# Altium PCB SPEC-A7.PcbDoc (part 9 of 10)
Units mil, origin at the board's own origin, x right, y up, seen from the top; angles counter-clockwise.
Board outline 6299.21 x 3937.01 mil, 6 copper layers (Top Layer, L2, L3, L4, L5, Bottom Layer), stack 61.319 mil thick; 731 components, 479 nets, 2733 pads, 1703 vias.
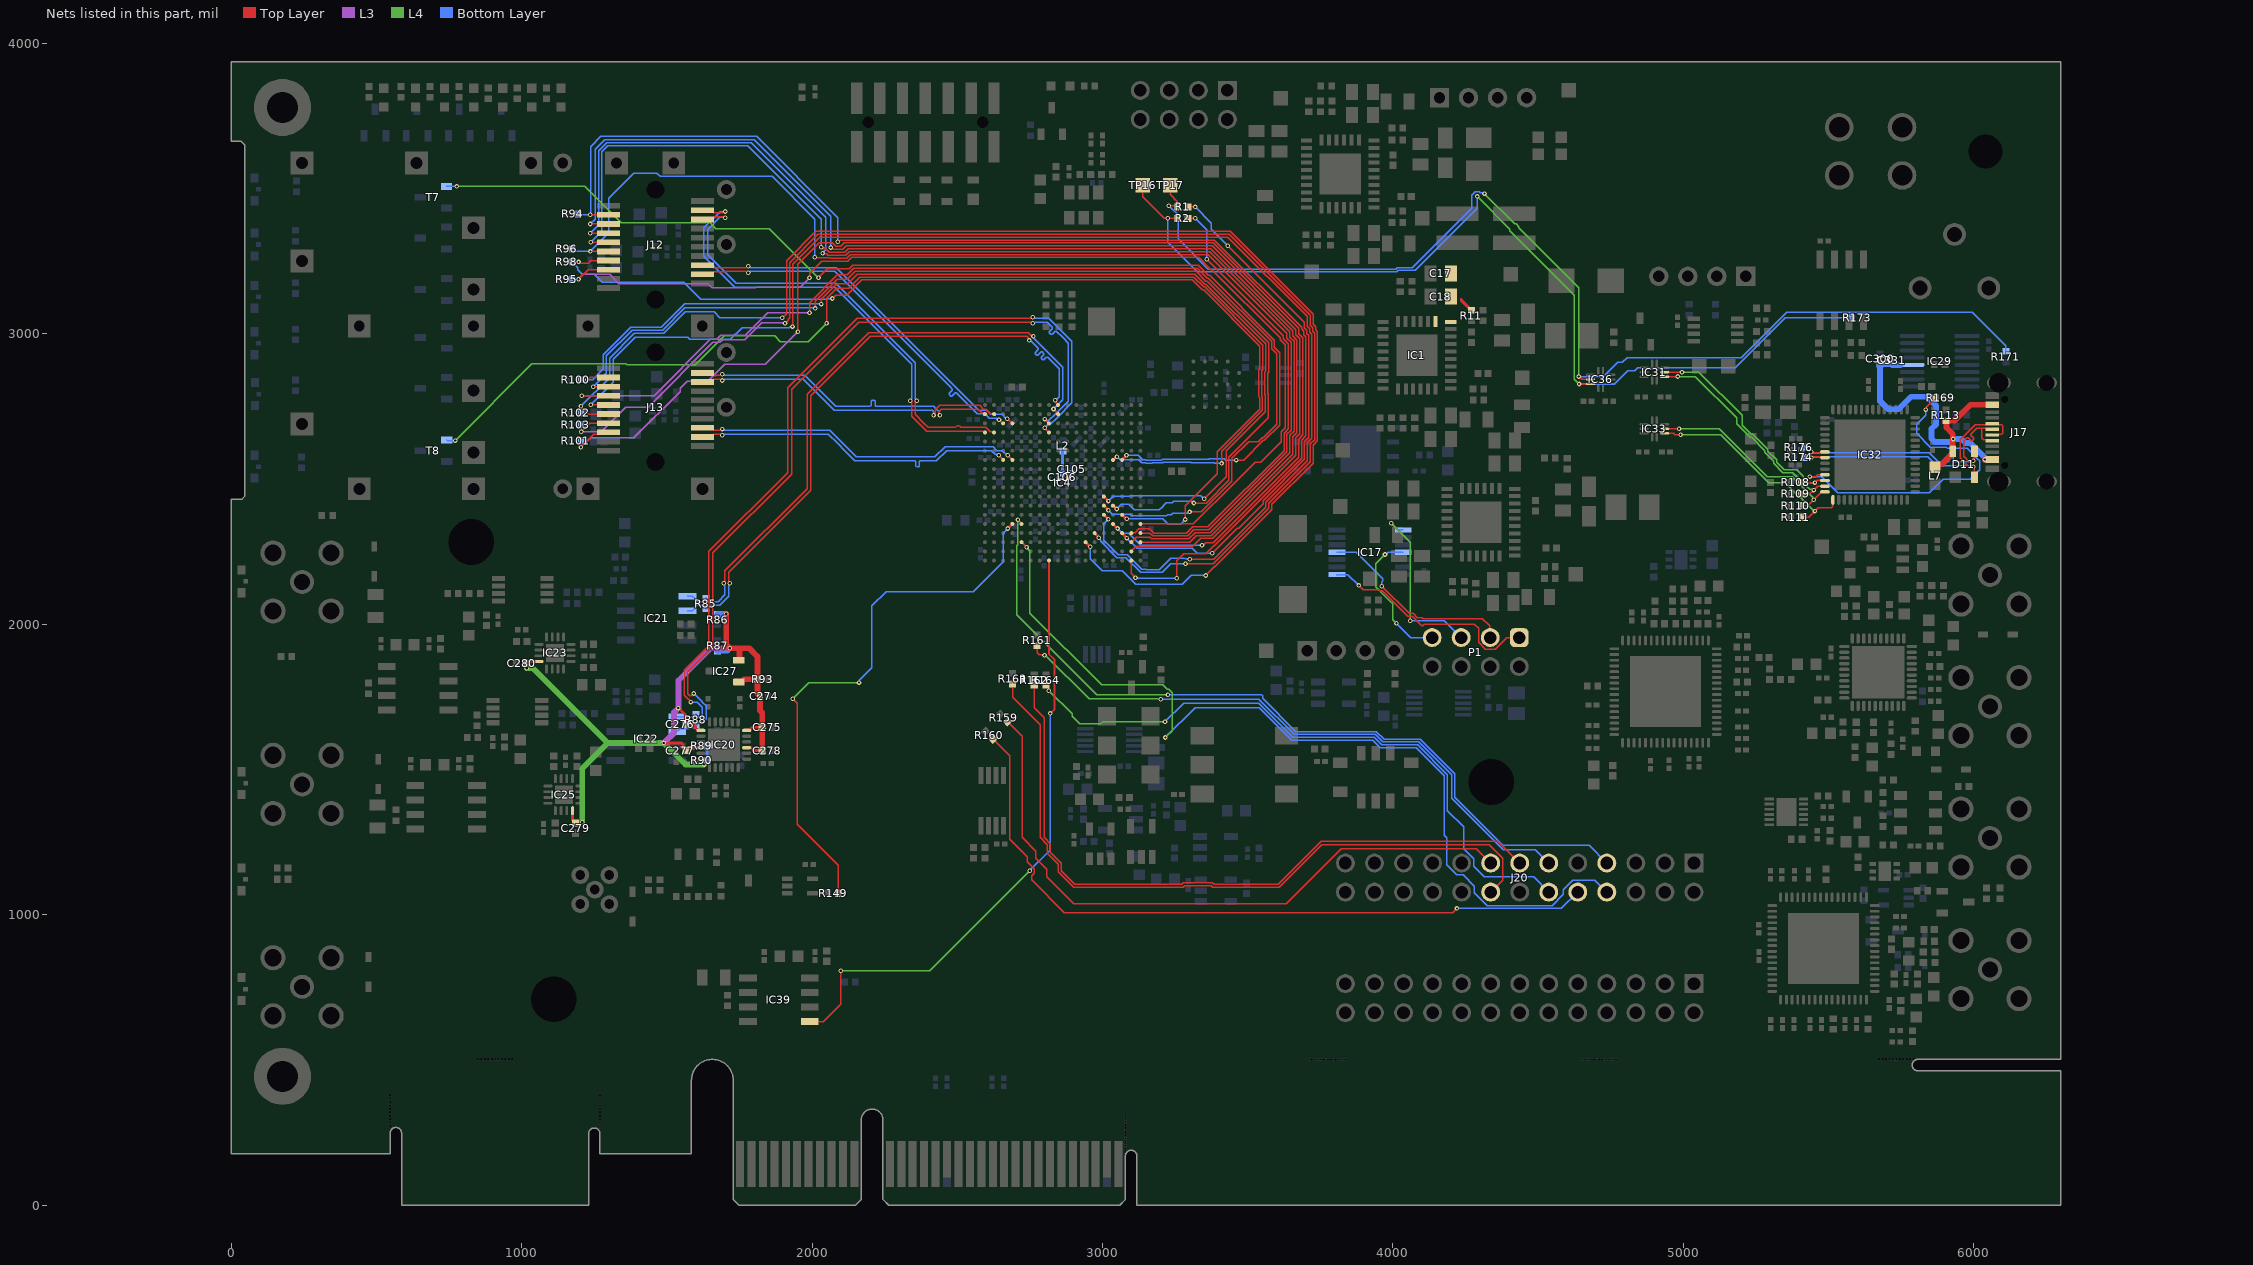
[diagram p13: the nets of this part, all layers, seen from the top]

## Via types
v1: diameter 15.75, hole 7.87, Top Layer to Bottom Layer, tented both sides, 1583 vias
v2: diameter 19.68, hole 7.87, Top Layer to Bottom Layer, tented both sides, 73 vias
v3: diameter 15.75, hole 7.87, Top Layer to Bottom Layer, 47 vias

## Nets (pads, with @x,y where several pads share a name; then routed paths per layer and width w, separated by ;. In a path a pad name is that pad's centre, name@x,y a point inside that pad or via, vN(x,y) a via of type N, cw(c..) or ccw(c..) an arc to the next point about the centre after c; other vN are vias at no path point) (continued)
RGMII_RXD2: IC4.P5 J20.7 | length 2788.5
  Top Layer w5: v1(2708.63,2360.18) 2708.63,2359.04 2721.02,2346.64 IC4.P5@2721.02,2345.5
  L4 w5: v1(2708.63,2360.18) 2708.63,2273.69 2705.14,2270.2 2705.14,2150.36 2704.37,2149.6 2704.37,2136.86 2705.14,2136.1 2705.14,2110.56 2704.46,2109.88 2704.46,2033.52 2980.75,1757.23 v1(3225,1757.23)
  Bottom Layer w5: v1(3225,1757.23) 3225.75,1757.98 3548.31,1757.98 3551.24,1755.05 3551.24,1745.5 3665.9,1630.84 3943.08,1630.84 3969.12,1604.8 4093.29,1604.8 4212.84,1485.25 4212.84,1404.61 4378.52,1238.94 4675.3,1238.94 J20.7@4736.26,1177.97
RGMII_RXD3: IC4.T5 J20.8 | length 3120.5
  Top Layer w5: IC4.T5@2721.02,2282.51 v1(2738.54,2264.98) v1@2740,2263.53
  L4 w5: v1(2738.54,2264.98) 2749.88,2253.65 2749.88,2038.1 2996.6,1791.38 3207.96,1791.38 3222.69,1776.66 3227.31,1776.66 3240.37,1763.6 3240.37,1634.07 v1(3216.54,1610.24)
  Bottom Layer w5: v1(3216.54,1610.24) 3318.9,1712.6 3539.37,1712.6 3651.13,1600.84 3930.66,1600.84 3956.69,1574.8 4080.87,1574.8 4177.17,1478.5 4177.17,1272.87 4185.04,1265 4185.04,1171.26 4219.49,1136.81 4241.14,1136.81 4280.22,1097.74 4280.22,1076.09 4324.67,1031.64 4547.85,1031.64 4586.26,1070.04 4586.26,1085.91 4619.29,1118.94 4695.3,1118.94 J20.8@4736.26,1077.97
RGMII_TX_CLK: J20.16 R163.2 | length 2481.5
  Top Layer w5: R163.2@2690,1794.47 2690,1747.98 2784.73,1653.25 2784.73,1266.53 2810.42,1240.84 2810.42,1211.02 2847.85,1173.59 2847.85,1147.24 2900.09,1095 3277.03,1095 3282.66,1100.64 3374.07,1100.64 3379.71,1095 3608.34,1095 3754.03,1240.69 4331.48,1240.69 4377.23,1194.94 4377.23,1118.94 J20.16@4336.26,1077.97
RGMII_TX_EN: J20.15 R159.2 | length 2256.1
  Top Layer w5: R159.2@2673.08,1664.89 2723.51,1614.47 2723.51,1265.96 2770.42,1219.05 2770.42,1194.45 2807.85,1157.02 2807.85,1130.67 2900.91,1037.62 3632.11,1037.62 3821.89,1227.4 4286.84,1227.4 J20.15@4336.26,1177.97
RGMII_TXD0: J20.10 R160.2 | length 2503.1
  Top Layer w5: R160.2@2623.08,1604.89 2681.1,1546.88 2681.1,1259.52 2740.42,1200.19 2740.42,1182.03 2764.94,1157.51 2764.94,1142.9 2756.27,1134.23 2756.27,1119.61 2868.27,1007.62 4205.98,1007.62 v1(4220,1021.64)
  Bottom Layer w5: v1(4220,1021.64) 4579.92,1021.64 J20.10@4636.26,1077.97
RGMII_TXD1: J20.11 R161.2 | length 2132.3
  Top Layer w5: R161.2@2775,1925.97 2775,1902.12 2782.22,1894.9 2798.87,1894.9 v1(2800.1,1893.67)
  L4 w5: v1(2800.1,1893.67) 2802.79,1893.67 2953.4,1743.06 3198.79,1743.06 v1(3200,1741.86)
  Bottom Layer w5: v1(3200,1741.86) 3538.4,1741.86 3659.41,1620.84 3938.94,1620.84 3964.98,1594.8 4089.15,1594.8 4202.84,1481.11 4202.84,1400.47 4378.9,1224.41 4489.83,1224.41 J20.11@4536.26,1177.97
RGMII_TXD2: J20.12 R164.2 | length 2226
  Top Layer w5: R164.2@2805,1789.47 2805.79,1789.47 2814.7,1780.56 2814.7,1771.72 v1(2814.86,1771.56)
  L4 w5: v1(2814.86,1771.56) 2894.85,1691.57 2894.85,1683.97 2921.22,1657.6 2994.63,1657.6 3001.63,1664.61 v1(3215,1664.61)
  Bottom Layer w5: v1(3215,1664.61) 3278.74,1728.35 3537.76,1728.35 3655.27,1610.84 3934.8,1610.84 3960.84,1584.8 4085.01,1584.8 4187.17,1482.65 4187.17,1358.47 4242.8,1302.84 4242.8,1227.98 4277.23,1193.55 4277.23,1167.66 4314.96,1129.92 4484.31,1129.92 J20.12@4536.26,1077.97
RGMII_TXD3: J20.13 R162.2 | length 2371.2
  Top Layer w5: R162.2@2765,1789.47 2765,1712.98 2799.13,1678.84 2799.13,1266.27 2820.42,1244.98 2820.42,1215.16 2857.85,1177.73 2857.85,1151.38 2904.23,1105 3272.89,1105 3278.52,1110.64 3378.21,1110.64 3383.85,1105 3604.19,1105 3752.17,1252.98 4361.26,1252.98 J20.13@4436.26,1177.97
RX: IC4.R16 R1.2 | length 1859.8
  Top Layer w5: R1.2@3294.09,3437.01 v1(3319.27,3437.01) ; v1(3377.95,2244.09) 3464.29,2330.43 3468.19,2330.43 3552.46,2414.7 3552.46,2424.98 3695,2567.52 3695,2629.29 3709.94,2644.23 3709.94,2994.46 3703.43,3000.97 3703.43,3012.8 3695,3021.22 3695,3039.32 v1(3430.67,3303.65)
  Top Layer w10: IC4.R16@3067.48,2314 3067.48,2313.42 3083.56,2297.34 v1(3083.56,2296.76)
  Bottom Layer w5: v1(3083.56,2296.76) 3118.67,2261.65 3308.34,2261.65 3325.9,2244.09 v1(3377.95,2244.09) ; v1(3319.27,3437.01) 3374.97,3381.31 3374.97,3359.35 v1(3430.67,3303.65)
RXD_USB: IC36.5 R2.1 R173.1 TP16.1 | length 3375.4
  Top Layer w5: TP16.1@3137.8,3511.81 3137.8,3472.44 3212.6,3397.64 v1(3224.41,3397.64) R2.1@3257.09,3397.64 ; v1(4640.75,2827.23) IC36.5@4679.57,2827.23
  L4 w5: v1(4290,3472.98) 4402.07,3360.91 4402.07,3355.08 4624.63,3132.53 4624.63,2843.35 v1(4640.75,2827.23)
  Bottom Layer w5: v1(3224.41,3397.64) 3224.41,3314.96 3326.39,3212.98 4013.26,3212.98 4018.63,3218.35 4076.62,3218.35 4290,3431.73 v1(4290,3472.98) ; v1(4640.75,2827.23) 4762.14,2827.23 4807.88,2872.98 4831.74,2872.98 4842.12,2883.35 5178.53,2883.35 5350.29,3055.12 R173.1@5579.92,3055.12
SC_MISO: IC17.8 P1.5 | length 613.9
  L4 w5: v3(3993.55,2347.54) 4059.06,2282.04 v3(4059.06,2011.81)
  Bottom Layer w5: v3(3993.55,2347.54) 3993.55,2347.01 4015.75,2324.8 IC17.8@4035.43,2324.8 ; v3(4059.06,2011.81) 4177.17,2011.81 P1.5@4234.65,1954.33
SC_MOSI: IC17.4 P1.3 | length 691
  Top Layer w5: v3(3961.66,2130.95) 4055.42,2037.18 4069.57,2037.18 4083.5,2023.25 4100.86,2023.25 4104.42,2019.68 4307.09,2019.68 4332.46,1994.31 4332.46,1956.52 P1.3@4334.65,1954.33
  Bottom Layer w5: IC17.4@3807.09,2248.03 3874.02,2248.03 3964.57,2157.48 3964.57,2148.74 3962.07,2146.24 3962.07,2131.36 v3(3961.66,2130.95)
SC_SCLK: IC17.1 P1.1 | length 789.1
  Top Layer w5: v3(3881.89,2133.86) 3897.64,2118.11 3952.58,2118.11 3955.2,2115.49 3962.98,2115.49 4051.28,2027.18 4065.42,2027.18 4098.41,1994.2 4102.55,1994.2 4108.36,2000 4280.54,2000 4294.67,1985.87 4294.67,1937.77 4318.09,1914.35 4351.21,1914.35 4391.19,1954.33 P1.1@4434.65,1954.33
  Bottom Layer w5: IC17.1@3811.02,2167.32 IC17.1@3807.09,2171.26 3844.49,2171.26 v3(3881.89,2133.86)
SC_SSEL: IC17.11 P1.7 | length 488.8
  L4 w5: v3(3972.44,2240.16) 3940.94,2208.66 3940.94,2129.92 3996.06,2074.8 3997.07,2074.8 4000,2071.87 4000,2015.75 v3(4011.81,2003.94)
  Bottom Layer w5: v3(3972.44,2240.16) 3975.35,2240.16 3983.22,2248.03 IC17.11@4035.43,2248.03 ; v3(4011.81,2003.94) 4061.42,1954.33 P1.7@4134.65,1954.33
SFP0_DISABLE: IC4.U17 J12.3 | length 4243.4
  Top Layer w5: v1(1236.3,3378.23) J12.3@1299.21,3378.23 ; v1(2064.13,3297.19) 2067.04,3297.19 2072.86,3291.37 2106.09,3291.37 2117.69,3302.98 3376.87,3302.98 3665,3014.85 3665,2996.97 3679.37,2982.6 3679.37,2656.09 3665,2641.71 3665,2581.66 3378.84,2295.5 3337.52,2295.5 3310,2267.98 3115.95,2267.98 IC4.U17@3098.98,2251.01
  Bottom Layer w5: v1(1236.3,3378.23) 1252.94,3394.87 1252.94,3634.87 1286.05,3667.98 1800.76,3667.98 2064.13,3404.61 v1(2064.13,3297.19)
SFP0_FAULT: IC4.V17 J12.2 R94.1 | length 4437.5
  Top Layer w5: v1(1236.5,3409.72) J12.2@1299.21,3409.72 ; v1(2088.06,3316.74) 2090.97,3316.74 2097.2,3322.98 3385.16,3322.98 3685,3023.14 3685,3017.08 3693.43,3008.66 3693.43,2996.83 3699.94,2990.32 3699.94,2648.37 3685,2633.43 3685,2571.66 3384.52,2271.18 3383.29,2271.18 3355.29,2243.17 3280.19,2243.17 3255,2217.98 v1(3255,2158.35) ; IC4.V17@3098.98,2219.51 3098.98,2175.08 v1(3113.41,2160.65)
  Bottom Layer w5: R94.1@1194.13,3412.56 1196.97,3409.72 1237.8,3409.72 1237.8,3644.72 1272.64,3679.57 1808.62,3679.57 2088.06,3400.13 v1(2088.06,3316.74) ; v1(3113.41,2160.65) 3115.17,2158.88 3138,2158.88 3138.49,2158.39 v1(3255,2158.35) v1(3255,2158.35)
SFP0_I_N: IC4.D1 J12.19 | length 1593.9
  Top Layer w5: J12.19@1622.05,3425.47 1651.57,3425.47 1660.82,3416.22 1672.62,3416.22 1673.15,3416.76 1693.32,3416.76 ; v1@2342.59,2770 2342.59,2717 2371.21,2688.38 2395.03,2664.56 2588.56,2664.56 2592.66,2660.46 IC4.D1@2595.04,2660.46
  Bottom Layer w5: v1(1700.63,3421.16) 1684.28,3421.16 1627.63,3364.51 1627.63,3267.17 1733.76,3161.04 2076.48,3161.04 2079.02,3158.5 2144.35,3093.17 2342.59,2894.93 2342.59,2777.31 2338.19,2772.91 v1(2338.19,2770)
SFP0_I_P: IC4.D2 J12.18 | length 1591.4
  Top Layer w5: J12.18@1622.05,3393.98 1651.57,3393.98 1660.82,3403.22 1678,3403.22 1678.53,3403.76 1693.32,3403.76 ; v1@2355.59,2770 2355.59,2722.38 2385,2692.98 2400.41,2677.56 2433.07,2677.56 2493.64,2677.56 2496.57,2680.49 2496.57,2681.09 2499.14,2683.66 2506.87,2683.66 2509.44,2681.09 2509.44,2680.49 2512.37,2677.56 2527.75,2677.56 2598.28,2677.56 2613.71,2662.14 2624.86,2662.14 IC4.D2@2626.54,2660.46
  Bottom Layer w5: v1(1700.63,3399.35) 1698.72,3401.26 1682.76,3401.26 1640.63,3359.13 1640.63,3272.56 1696.03,3217.16 1739.15,3174.04 2081.86,3174.04 2355.59,2900.31 2355.59,2850.7 2355.59,2777.31 2360,2772.91 v1(2360,2770)
SFP0_LOSE: IC4.P18 J12.8 R95.1 | length 3720.9
  Top Layer w5: v1(1195.63,3187.56) 1228.82,3220.75 J12.8@1299.21,3220.75 ; v1(1991.18,3193.33) 1992.33,3194.48 1992.33,3208.71 2033.01,3249.39 2122.52,3249.39 2136.11,3262.98 3330.96,3262.98 3372.65,3221.29 3376.82,3221.29 3611.81,2986.3 3611.81,2979.45 3629.37,2961.89 3629.37,2676.8 3615,2662.42 3615,2628.63 3544.64,2558.27 3525.54,2558.27 3455.18,2487.91 3455.18,2487.8 3312.88,2345.5 IC4.P18@3130.47,2345.5
  L3 w5: v1(1195.63,3187.56) 1212.7,3204.63 1303.25,3204.63 1335.06,3172.82 1640.93,3172.82 1655.61,3158.13 1806.18,3158.13 1809.09,3161.04 1959.67,3161.04 1991.18,3192.56 v1(1991.18,3193.33)
  Bottom Layer w5: R95.1@1174.13,3187.56 v1(1195.63,3187.56)
SFP0_MODE0: IC4.R18 J12.6 R96.1 | length 4072.3
  Top Layer w5: v1(1236.81,3283.74) J12.6@1299.21,3283.74 ; v1(2008.7,3263.36) 2010.69,3261.37 2061.97,3261.37 2062.3,3261.04 2120.04,3261.04 2131.97,3272.98 3364.45,3272.98 3635,3002.42 3635,2984.55 3649.37,2970.17 3649.37,2668.51 3635,2654.14 3635,2594.09 3366.41,2325.5 3314.24,2325.5 3292.99,2304.25 3172.84,2304.25 3163.09,2314 IC4.R18@3130.47,2314
  Bottom Layer w5: R96.1@1174.13,3292.56 1182.95,3283.74 v1(1236.81,3283.74) 1300.63,3347.56 1300.63,3467.56 1385.63,3552.56 1465.63,3552.56 1476.48,3541.71 1862.03,3541.71 2008.7,3395.04 v1(2008.7,3263.36)
SFP0_MODE1: IC4.T18 J12.5 | length 4214.8
  Top Layer w5: v1(1238.31,3315.24) J12.5@1299.21,3315.24 ; v1@2031.18,3295.64 2031.18,3292.98 v1@2035.9,3292.98 ; v1(2031.18,3297.7) v1@2033.24,3295.64 ; IC4.T18@3130.47,2282.51 3299.53,2282.51 3322.52,2305.5 3374.69,2305.5 3655,2585.8 3655,2645.86 3669.37,2660.23 3669.37,2978.46 3655,2992.83 3655,3010.71 3372.73,3292.98 2141.73,3292.98 2123.69,3292.98 2112.08,3281.37 2058.21,3281.37 2055.88,3283.7 2046.6,3292.98 ; v1@2033.24,3295.64 2043.94,3295.64 2046.6,3292.98 ; v1@2033.24,3295.64 v1@2035.9,3292.98 ; v1@2035.9,3292.98 2046.6,3292.98
  Bottom Layer w5: v1(1238.31,3315.24) 1275.63,3352.56 1275.63,3626.79 1296.4,3647.56 1778.02,3647.56 2031.18,3394.4 v1(2031.18,3297.7)
SFP0_MODE2: IC4.T17 J12.4 | length 4222.7
  Top Layer w5: v1(1236.46,3346.73) J12.4@1299.21,3346.73 ; v1(2036.18,3277.56) 2038.24,3275.5 2049.93,3275.5 2054.07,3271.37 2116.22,3271.37 2127.83,3282.98 2145.87,3282.98 3368.59,3282.98 3645,3006.57 3645,2988.69 3659.37,2974.31 3659.37,2664.37 3645,2650 3645,2589.94 3370.55,2315.5 3318.38,2315.5 3297.13,2294.25 3168.7,2294.25 3163.34,2299.61 3116.08,2299.61 IC4.T17@3098.98,2282.51
  Bottom Layer w5: v1(1236.46,3346.73) 1265.63,3375.91 1265.63,3630.93 1292.26,3657.56 1791.18,3657.56 2046.55,3402.19 2046.55,3288.93 2036.18,3278.55 v1(2036.18,3277.56)
SFP0_O_N: IC4.C3 J12.12 | length 1286.5
  Top Layer w5: J12.12@1622.05,3205 1651.57,3205 1660.82,3214.25 1702.46,3214.25 1702.99,3214.78 1772.94,3214.78 ; v1(2643.4,2704.18) 2644.6,2704.18 2656.83,2691.95 IC4.C3@2658.03,2691.95
  Bottom Layer w5: v1(1780.26,3210.37) 1783.16,3210.37 1787.57,3214.78 1975.66,3214.78 1976.08,3215.2 2077.78,3215.2 2472.28,2820.7 2474.05,2818.93 2483.15,2809.83 2483.15,2805.68 2472.38,2794.91 2472.38,2791.27 2477.84,2785.81 2481.48,2785.81 2492.25,2796.58 2496.4,2796.58 2514.8,2778.18 2516.57,2776.41 2568.84,2724.14 2595.97,2724.14 2610.34,2709.76 2635.09,2709.76 2640.67,2704.18 v1(2643.4,2704.18)
SFP0_O_P: IC4.C4 J12.13 | length 1288.3
  Top Layer w5: J12.13@1622.05,3236.5 1651.57,3236.5 1660.82,3227.25 1697.07,3227.25 1697.6,3227.78 1772.94,3227.78 ; v1(2671.66,2707.7) 2672.72,2707.7 2688.47,2691.95 IC4.C4@2689.53,2691.95
  Bottom Layer w5: v1(1780.26,3232.19) 1783.16,3232.19 1787.57,3227.78 1970.28,3227.78 1970.7,3228.2 2083.16,3228.2 2574.22,2737.14 2601.35,2737.14 2615.73,2722.76 2653.99,2722.76 2669.05,2707.7 v1(2671.66,2707.7)
SFP0_RS: IC4.N16 J12.7 R98.2 | length 3618.1
  Top Layer w5: v1(1195.63,3247.56) 1198.54,3247.56 1202.26,3243.84 1230.24,3243.84 1238.64,3252.24 J12.7@1299.21,3252.24 ; v1(2069.97,3121.57) 2081.69,3133.28 2118.85,3133.28 2170.93,3185.35 3309.59,3185.35 3343.66,3151.29 3347.83,3151.29 3541.81,2957.31 3541.81,2880.25 3538.63,2877.06 3538.63,2783.21 3540.4,2781.43 3540.4,2740.65 3394.43,2594.68 3394.43,2518.71 3339.45,2463.73 3339.12,2463.73 3284.14,2408.75 3284.14,2361.08 v1(3284.35,2360.87)
  Top Layer w10: IC4.N16@3067.48,2376.99 3068.5,2376.99 3081.87,2363.62 v1(3083.01,2363.62)
  Bottom Layer w5: v1(1195.63,3247.56) R98.2@1174.13,3247.56 1174.13,3246.77 1193.45,3227.45 1193.45,3220.3 1208.07,3205.69 1249.13,3205.69 1277.26,3177.56 1558.13,3177.56 1616.69,3119 1728.35,3119 2052.09,3119 2054.59,3121.5 2069.9,3121.5 v1(2069.97,3121.57) ; v1(3083.01,2363.62) 3206.86,2363.62 3214.63,2355.86 3214.63,2355.6 3223.63,2346.6 3236.37,2346.6 3236.63,2346.86 3270.34,2346.86 v1(3284.35,2360.87)
SFP1_DISABLE: IC4.M15 J13.3 | length 3693.8
  Top Layer w5: v1(1246.3,2818.23) J13.3@1299.21,2818.23 ; v1(2011.18,3087.56) 2011.18,3112.8 2085.94,3187.56 2121.58,3187.56 2149.37,3215.35 3322.02,3215.35 3356.08,3181.29 3360.26,3181.29 3571.81,2969.73 3571.81,2867.82 3568.63,2864.64 3568.63,2795.63 3570.4,2793.86 3570.4,2710.97 3435.18,2575.75 3435.18,2496.09 3356.27,2417.17 3315.17,2417.17 v1(3314.74,2417.6)
  Top Layer w10: IC4.M15@3035.98,2408.49 3036.74,2408.49 3048.37,2396.86 v1(3049.12,2396.86)
  Bottom Layer w5: v1(1246.3,2818.23) 1291.75,2863.68 1291.75,2923.68 1380.63,3012.56 1485.63,3012.56 1562.07,3089 2009.74,3089 v1(2011.18,3087.56) ; v1(3049.12,2396.86) 3065.19,2412.93 3090.04,2412.93 3109.35,2393.62 3195.42,2393.62 3208.48,2406.67 3208.48,2407.34 3219.49,2418.35 3240.35,2418.35 3244.97,2422.98 3306.45,2422.98 3311.83,2417.6 v1(3314.74,2417.6)
SFP1_FAULT: IC4.L14 J13.2 R100.1 | length 3709.6
  Top Layer w5: v1(1225.63,2842.56) 1228.54,2842.56 1235.7,2849.72 J13.2@1299.21,2849.72 ; v1(2031.18,3102.56) 2031.58,3102.96 2031.58,3119.06 2085.08,3172.56 2123.37,3172.56 2156.16,3205.35 3317.88,3205.35 3351.94,3171.29 3356.11,3171.29 3561.81,2965.59 3561.81,2871.96 3558.63,2868.78 3558.63,2791.49 3560.4,2789.72 3560.4,2732.37 3425.18,2597.15 3425.18,2507.83 v1(3349.9,2432.55)
  Top Layer w10: IC4.L14@3004.49,2439.99 v1(3020.24,2424.24)
  Bottom Layer w5: R100.1@1204.13,2842.56 v1(1225.63,2842.56) 1244,2842.56 1280.63,2879.19 1280.63,2927.56 1375.63,3022.56 1480.63,3022.56 1562.07,3104 2029.74,3104 v1(2031.18,3102.56) ; v1(3020.24,2424.24) 3036.67,2440.67 3065.72,2440.67 3066.29,2440.1 3092.42,2440.1 3095.3,2442.98 3338.59,2442.98 3349.02,2432.55 v1(3349.9,2432.55)
SFP1_I_N: IC4.B1 J13.19 | length 1086.7
  Top Layer w5: J13.19@1622.05,2865.47 1651.57,2865.47 1660.82,2856.22 1669.34,2856.22 1669.87,2856.76 1683.32,2856.76 ; v1(2440,2720) 2437.94,2722.06 2437.94,2726.95 2436.6,2728.3 2436.6,2732.45 2444.42,2740.27 2570.99,2740.27 2583.69,2727.56 2588.56,2727.56 2592.66,2723.45 IC4.B1@2595.04,2723.45
  Bottom Layer w5: v1(1690.63,2861.16) 1693.54,2861.16 1697.94,2856.76 1974.61,2856.76 2081.36,2750 2198.3,2750 2200.8,2750 2203.73,2752.93 2203.73,2768.32 2206.31,2770.89 2214.03,2770.89 2216.61,2768.32 2216.61,2752.93 2219.54,2750 2271.65,2750 2418.29,2750 2427.98,2740.31 2435.59,2732.7 2435.59,2727.31
SFP1_I_P: IC4.B2 J13.18 | length 1089.1
  Top Layer w5: J13.18@1622.05,2833.98 1651.57,2833.98 1660.82,2843.22 1674.72,2843.22 1675.26,2843.76 1683.32,2843.76 ; v1(2418.19,2720) 2418.19,2722.91 2423.6,2728.31 2423.6,2737.83 2439.03,2753.27 2576.37,2753.27 2589.08,2740.56 2598.28,2740.56 2613.71,2725.13 2624.86,2725.13 IC4.B2@2626.54,2723.45
  Bottom Layer w5: v1(1690.63,2839.35) 1693.54,2839.35 1697.94,2843.76 1969.22,2843.76 2075.98,2737 2412.91,2737 2422.59,2727.31
SFP1_LOSE: IC4.P15 J13.8 R101.1 | length 4427.2
  Top Layer w5: v1(1204.13,2609.06) 1248.48,2653.41 1291.87,2653.41 J13.8@1299.21,2660.75 ; v1(1951.18,3007.56) 1951.18,3239.44 2024.81,3313.07 2047.4,3313.07 2047.49,3312.98 2070.08,3312.98 2081.69,3301.37 2099.1,3301.37 2110.71,3312.98 3381.02,3312.98 3675,3018.99 3675,3001.11 3689.94,2986.17 3689.94,2652.51 3675,2637.57 3675,2575.8 3380.37,2281.18 3354.74,2281.18 3345.21,2271.65 v1(3342.52,2271.65)
  Top Layer w10: IC4.P15@3035.98,2345.5 v1(3051.73,2329.75)
  L3 w5: v1(1204.13,2609.06) 1237.64,2642.56 1386.65,2642.56 1545.33,2801.24 1545.33,2812.03 1570.87,2837.56 1640.27,2837.56 1698.6,2895.89 1839.51,2895.89 v1(1951.18,3007.56)
  Bottom Layer w5: v1(1204.13,2609.06) R101.1@1204.13,2632.56 ; v1(3051.73,2329.75) 3068.17,2313.31 3090.26,2313.31 3131.92,2271.65 v1(3342.52,2271.65)
SFP1_MODE0: IC4.T12 J13.6 R102.1 | length 4756.9
  Top Layer w5: v1(1204.13,2751.06) 1231.46,2723.74 J13.6@1299.21,2723.74 ; v1(1897.64,3055.12) 1912.19,3069.67 1912.19,3251.98 2012.78,3352.56 ; 2012.78,3352.98 3440,3352.98 3725,3067.98 3725,3033.65 3733.43,3025.23 3733.43,3013.4 3739.94,3006.88 3739.94,2631.8 3725,2616.86 3725,2555.09 3582.46,2412.56 3582.46,2394.68 3385.76,2197.98 3385,2197.98 v1(3355,2167.98)
  Top Layer w10: IC4.T12@2941.5,2282.51 2941.5,2282.4 2957.24,2266.65 v1(2957.24,2266.54)
  Bottom Layer w5: R102.1@1204.13,2727.56 v1(1204.13,2751.06) 1302.52,2849.45 1302.52,2916.62 1388.45,3002.56 1490.08,3002.56 1563.5,3075.97 1662.98,3075.97 1682.83,3056.12 1896.63,3056.12 v1(1897.64,3055.12) ; v1(2957.24,2266.54) 2957.24,2226.19 2999.14,2184.29 3068.02,2184.29 3114.18,2138.14 3275.16,2138.14 3305,2167.98 v1(3355,2167.98)
SFP1_MODE1: IC4.N14 J13.5 | length 4571.7
  Top Layer w5: v1(1237.95,2756.18) 1298.27,2756.18 J13.5@1299.21,2755.24 ; v1(1932.64,3025.08) 1932.63,3239.05 2026.14,3332.56 ; 2026.14,3332.98 3431.72,3332.98 3705,3059.69 3705,3025.37 3713.43,3016.94 3713.43,3005.12 3719.94,2998.6 3719.94,2640.09 3705,2625.15 3705,2563.38 3562.46,2420.84 3562.46,2402.96 3383.35,2223.85 v1(3299.88,2223.85)
  Top Layer w10: IC4.N14@3004.49,2376.99 v1(3020.24,2361.25)
  Bottom Layer w5: v1(1237.95,2756.18) 1315.63,2833.86 1315.63,2912.56 1390.63,2987.56 1572.7,2987.56 1579.57,2980.69 1718.76,2980.69 1759.16,3021.09 1921.16,3021.09 1924.76,3024.69 ; v1(3020.24,2361.25) 3004.77,2345.78 3004.77,2310.47 3003.8,2309.49 3003.8,2289.18 3053.64,2239.34 3084.75,2239.34 3135.2,2188.88 3150.42,2188.88 3150.92,2188.39 3195.41,2188.39 3235,2227.98 3282,2227.98 3284.5,2225.48 3298.25,2225.48 v1(3299.88,2223.85)
SFP1_MODE2: IC4.M14 J13.4 | length 3852.8
  Top Layer w5: v1(1206.46,2786.73) J13.4@1299.21,2786.73 ; v1(1991.18,3072.56) 1991.18,3106.95 2086.79,3202.56 2121.29,3202.56 2144.08,3225.35 3326.16,3225.35 3360.22,3191.29 3364.4,3191.29 3581.81,2973.88 3581.81,2949.01 3599.37,2931.44 3599.37,2689.23 3552.95,2642.8 3549.94,2642.8 3536.38,2629.23 3502.8,2629.23 3445.18,2571.61 3445.18,2491.94 3340.15,2386.92 v1(3299.52,2386.92)
  Top Layer w10: IC4.M14@3004.49,2408.49 v1(3020.24,2392.74)
  L3 w5: v1(1206.46,2786.73) 1456.02,2786.73 1649.98,2980.69 1671.98,2980.69 1685.99,2994.7 1769.08,2994.7 1846.95,3072.56 v1(1991.18,3072.56)
  Bottom Layer w5: v1(3020.24,2392.74) 3033.98,2379 3095.7,2379 3101.07,2373.62 3219.91,2373.62 3223.63,2377.35 3236.68,2377.35 3241.59,2382.26 3254.46,2382.26 ; 3254.49,2382.23 3275.51,2382.23 3275.88,2382.6 3292.3,2382.6 3296.61,2386.92 v1(3299.52,2386.92)
SFP1_O_N: IC4.G3 J13.12 | length 1135.8
  Top Layer w5: J13.12@1622.05,2645 1651.57,2645 1660.82,2654.25 1677.65,2654.25 1678.18,2654.78 1683.32,2654.78 ; v1(2642.28,2581.72) IC4.G3@2658.03,2565.97
  Bottom Layer w5: v1(1690.63,2650.37) 1693.54,2650.37 1697.94,2654.78 2055.58,2654.78 2087.71,2622.65 2112.62,2597.74 2130.2,2580.15 2147.36,2562.99 2338.58,2562.99 2353.96,2562.99 2356.89,2560.06 2356.89,2544.69 2359.46,2542.11 2367.19,2542.11 2369.76,2544.69 2369.76,2560.06 2372.69,2562.99 2401.57,2562.99 2427.83,2562.99 2463,2598.15 2617.6,2598.15 2630.6,2585.15 2633.98,2585.15 2635.36,2583.77 2640.23,2583.77 v1(2642.28,2581.72)
SFP1_O_P: IC4.G4 J13.13 | length 1137.3
  Top Layer w5: J13.13@1622.05,2676.5 1651.57,2676.5 1660.82,2667.25 1672.27,2667.25 1672.8,2667.78 1683.32,2667.78 ; v1(2673.78,2581.72) IC4.G4@2689.53,2565.97